# Altium PCB PCB1.PcbDoc
Units mm, origin at the board's own origin, x right, y up, seen from the top; angles counter-clockwise.
Board outline 67.69 x 56.77 mm, 2 copper layers (Top Layer, Bottom Layer); 103 components, 81 nets, 365 pads, 129 vias.
Unrouted connection lines stored in the file: 20.
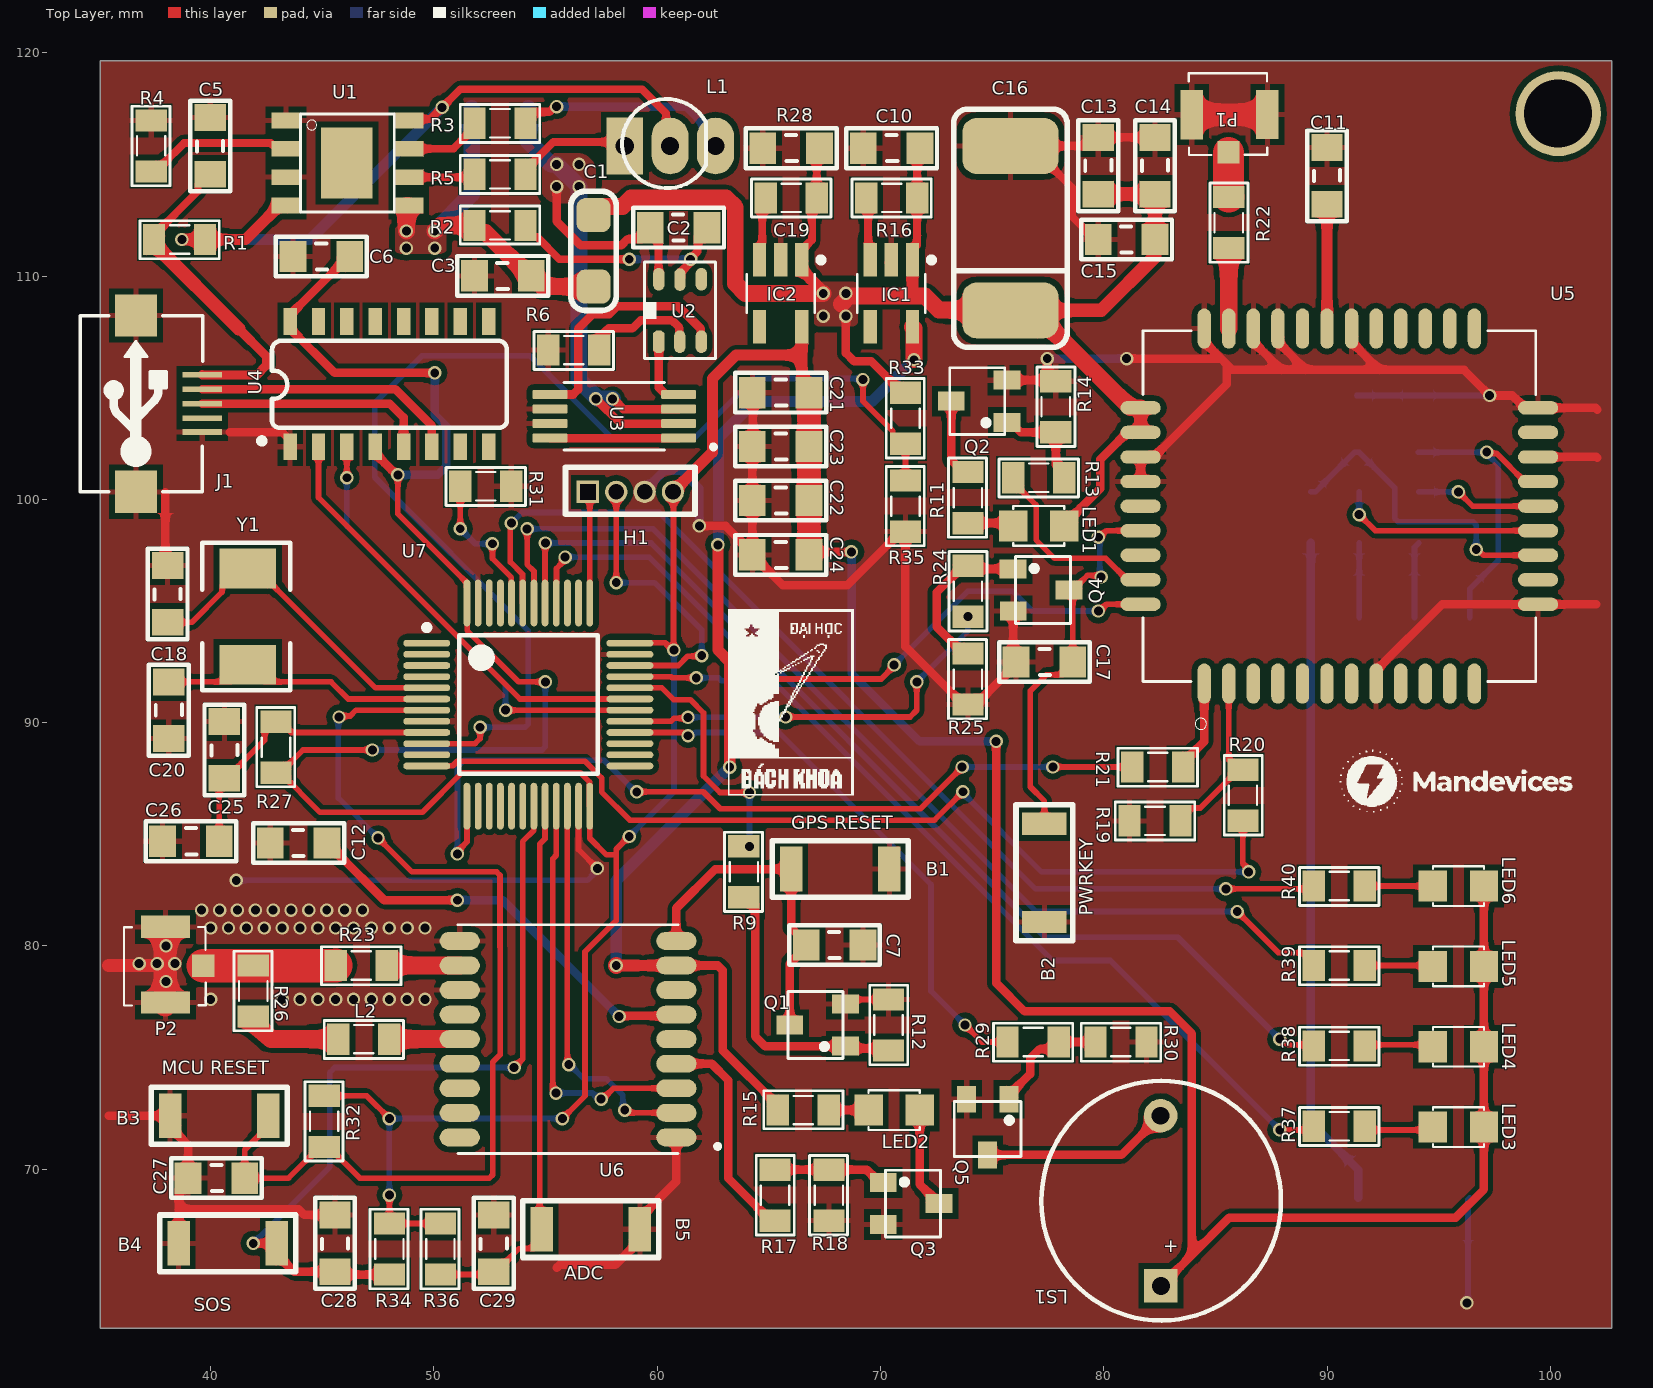
[diagram p0: Top Layer view]
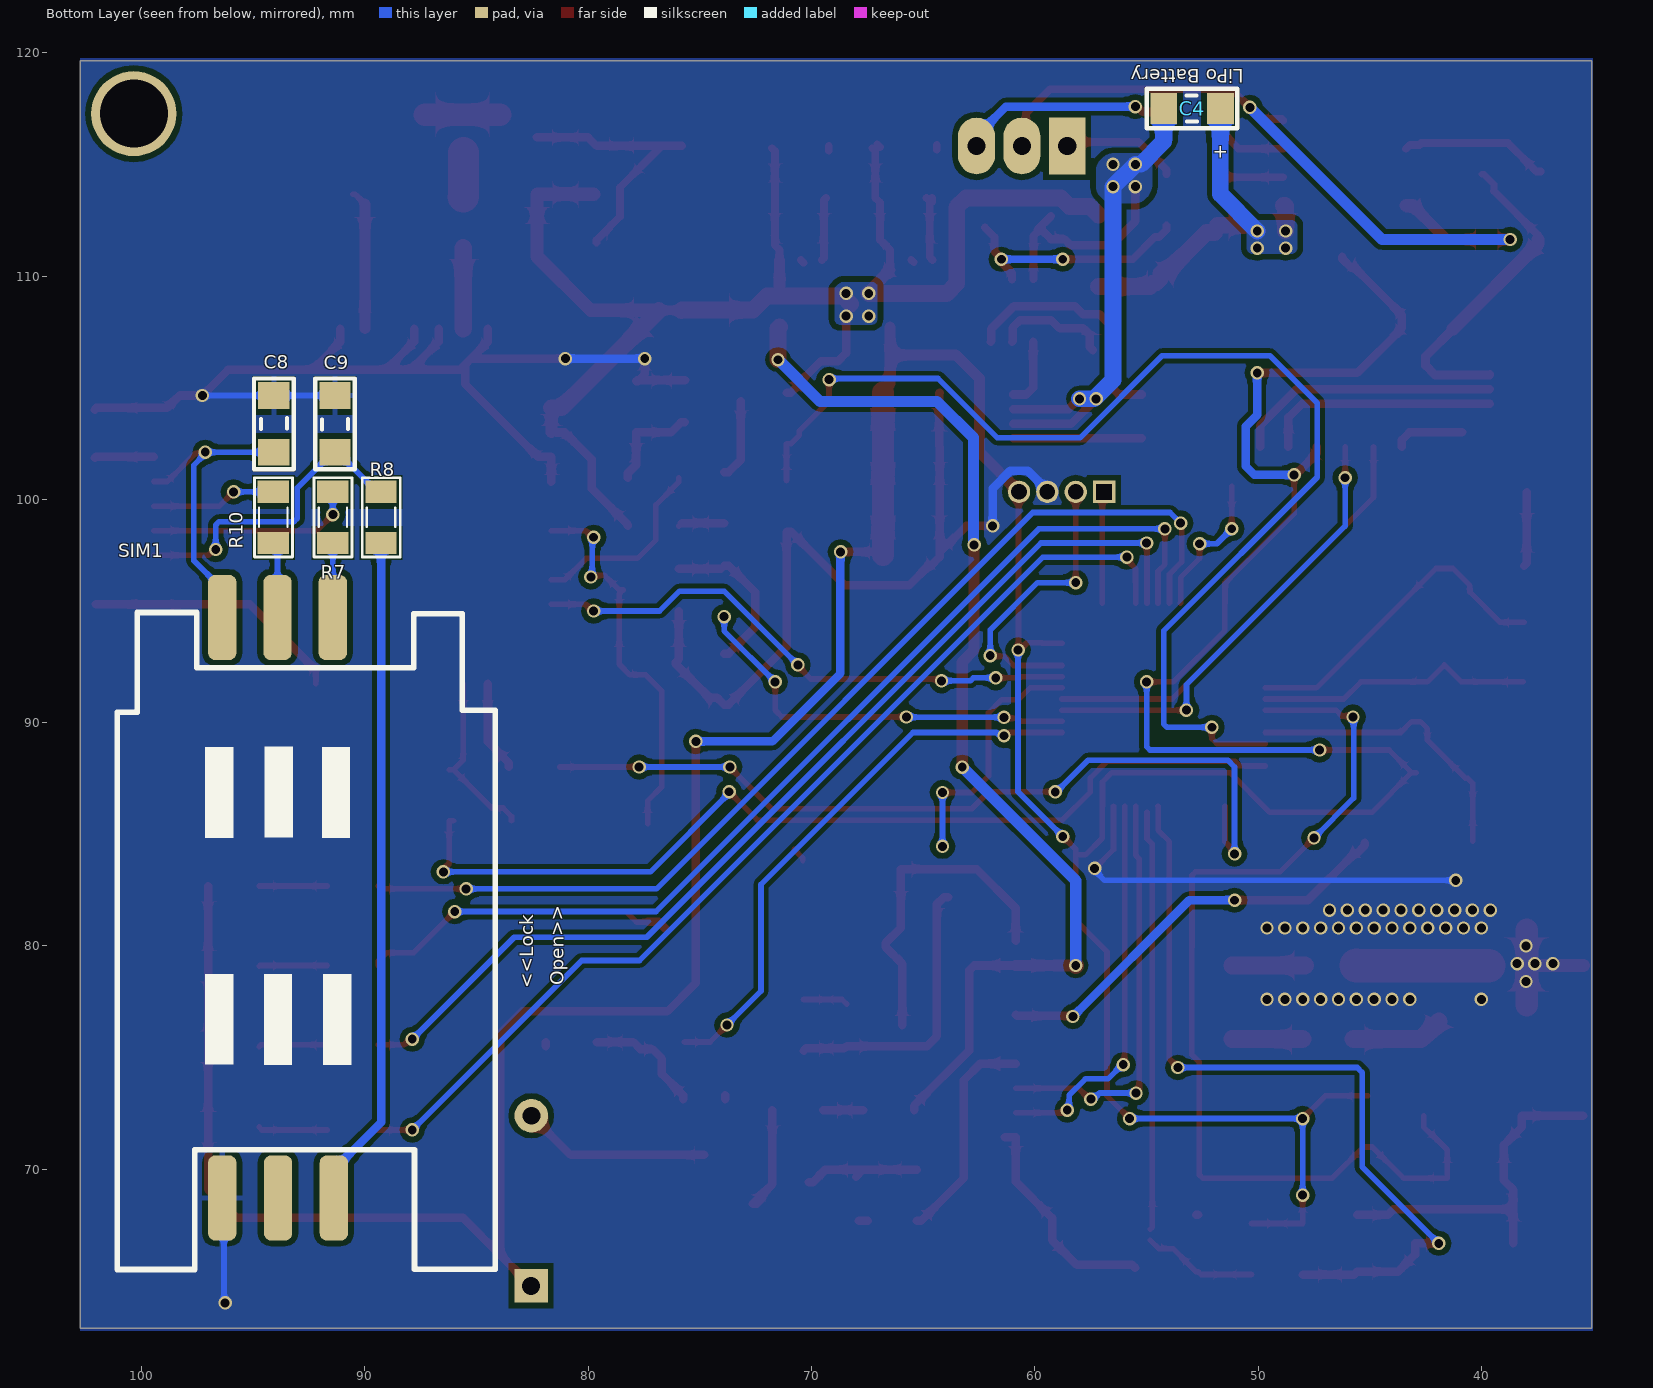
[diagram p1: Bottom Layer view, seen from below]
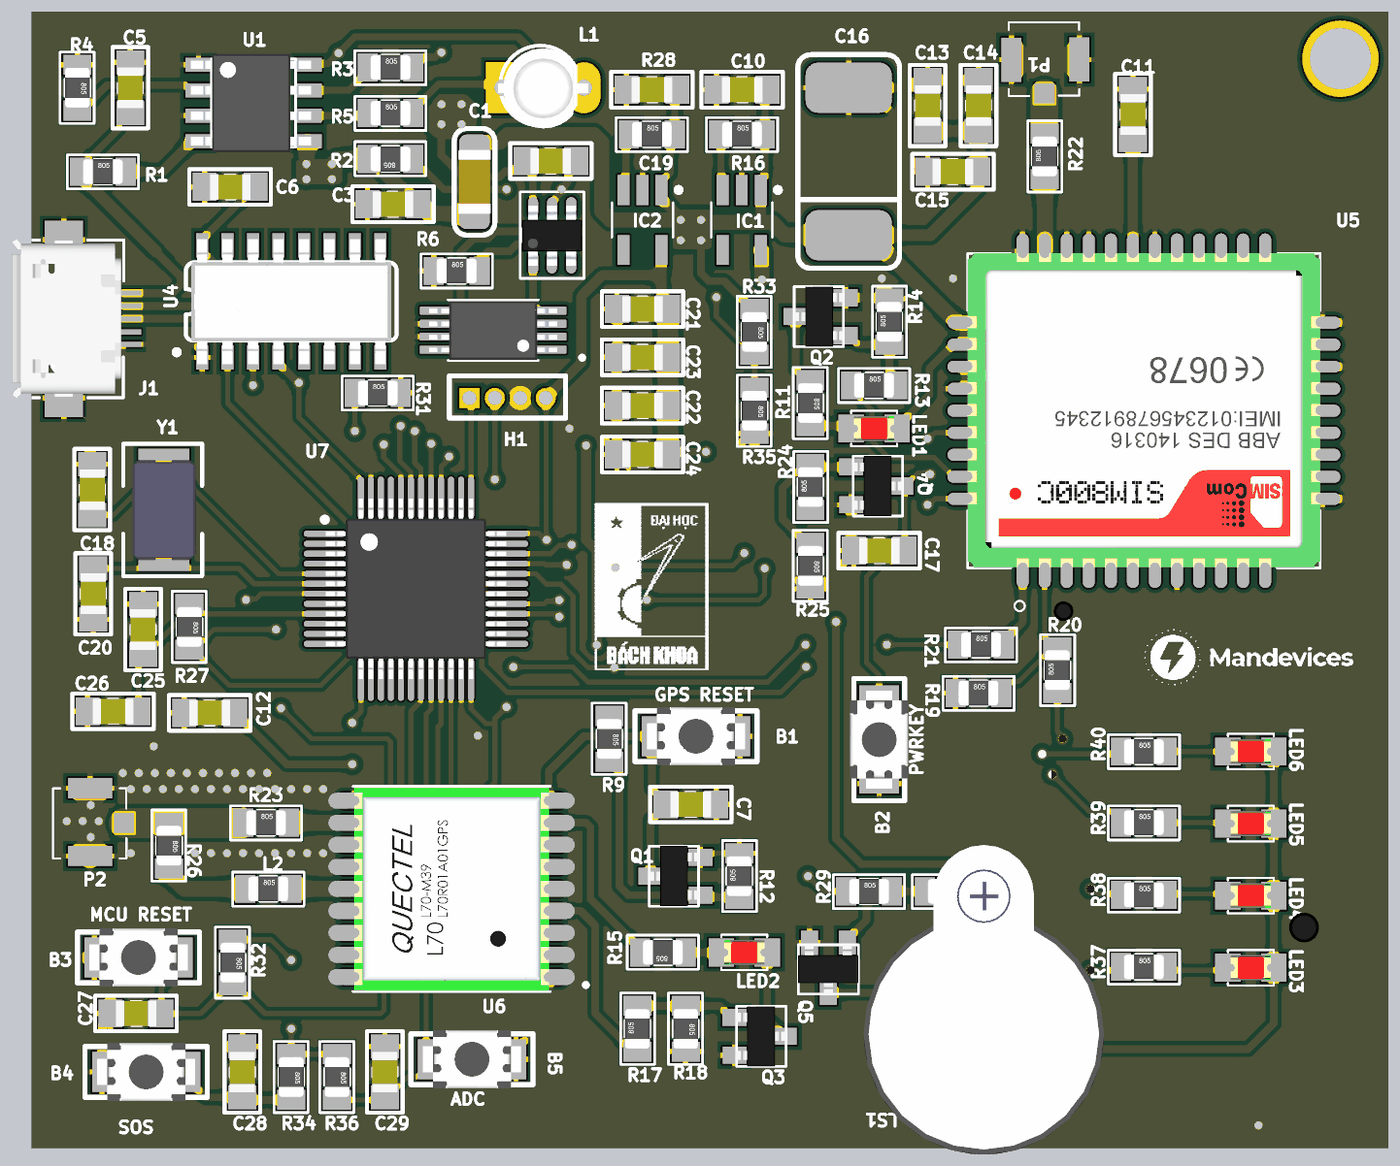
[diagram p2: 3D render of the assembled board from above, using the file's embedded part models]
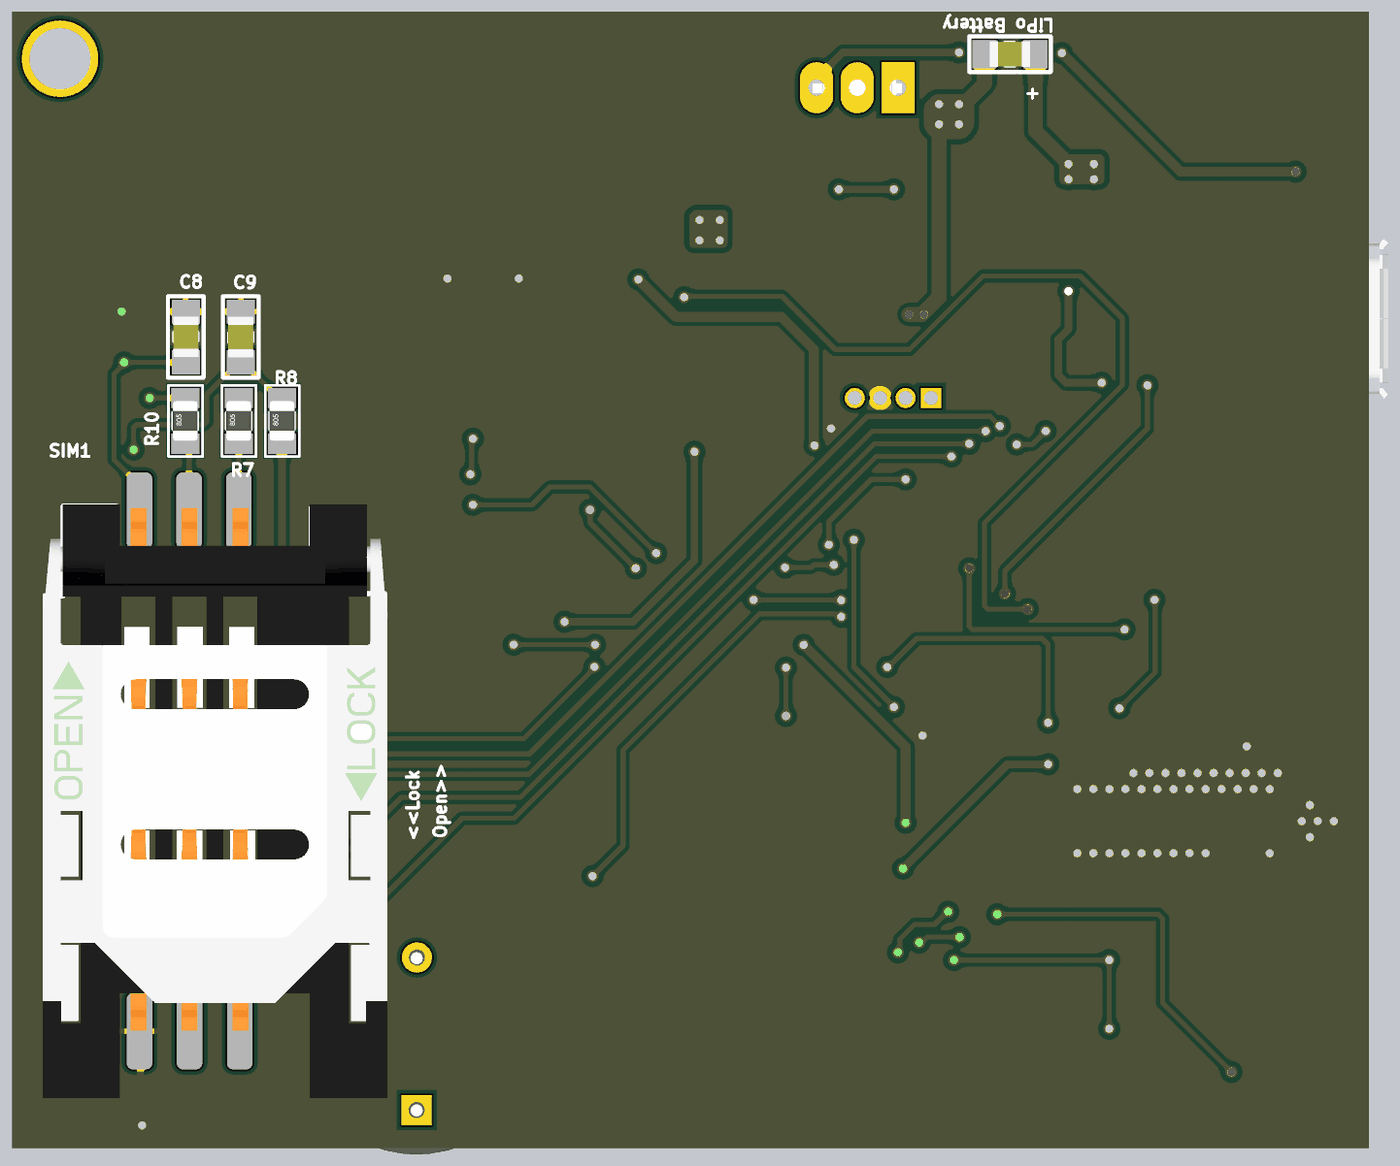
[diagram p3: 3D render of the assembled board from below, using the file's embedded part models]

## Layer stack, top to bottom
Top Solder: solder mask 0.0102, Solder Resist, Dk 3.5
Top Layer: signal copper 0.0356
Dielectric 1: dielectric 0.32, FR-4, Dk 4.8
Bottom Layer: signal copper 0.0356
Bottom Solder: solder mask 0.0102, Solder Resist, Dk 3.5

## Board outline
35.052,62.865 35.052,119.634 102.743,119.634 102.743,62.865

## Design rules (kind name [scope] priority, off if disabled: settings)
Clearance [All] p1: gap=0.254 ignorepadtopadclearanceinfootprint=TRUE except(0.2: Arc-Arc Arc-Track Arc-SMDPad Arc-THPad Arc-Via Arc-Fill Arc-Poly Arc-Region Arc-Text Arc-Hole Track-Track Track-SMDPad Track-THPad Track-Via Track-Fill Track-Poly Track-Region Track-Text Track-Hole SMDPad-SMDPad)
DiffPairsRouting [All] p1: maxlimit=0.254 minlimit=0.254 mostfreqgap=0.254 toplayer_minwidth=0.381 toplayer_maxwidth=0.381 toplayer_prefwidth=0.381 bottomlayer_minwidth=0.381 bottomlayer_maxwidth=0.381 bottomlayer_prefwidth=0.381 maxuncoupledlength=12.7
HoleSize [All] p1: absolutevalues=TRUE maxlimit=2.54 minlimit=0.5 maxpercent=80.000 minpercent=20.000
MinimumSolderMaskSliver [All] p1: minsoldermaskwidth=0
PlaneConnect [All] p1: planeconnectstyle=Relief reliefexpansion=0.508 reliefentries=4 reliefconductorwidth=0.508 reliefairgap=0.254
PolygonConnect [All] p1: thpad.connectstyle=Direct thpad.reliefconductorwidth=0.508 thpad.reliefentries=4 thpad.polygonreliefangle="90 Angle" thpad.airgapwidth=0.254 smdpad.connectstyle=Relief smdpad.reliefconductorwidth=0.254 smdpad.reliefentries=4 smdpad.polygonreliefangle="90 Angle" smdpad.airgapwidth=0.254 via.connectstyle=Direct via.reliefconductorwidth=0.254 via.reliefentries=4 via.polygonreliefangle="90 Angle" via.airgapwidth=0.254
RoutingVias [All] p1: holewidth=0.3 width=0.5 viastyle="Through Hole" minholewidth=0.1 minwidth=0.1 maxholewidth=0.75 maxwidth=1
SilkToSilkClearance [All] p1: silktosilkclearance=0
SilkToSolderMaskClearance SilkscreenOverComponentPads [IsPad] p1: minsilkscreentomaskgap=0 clearancetoexposedcopper=TRUE
SolderMaskExpansion [All] p1: expansion=0.102 istentingtop=FALSE
UnRoutedNet [All] p1: checkbadconnections=TRUE
Width [All] p1: maxlimit=3 minlimit=0.127 preferedwidth=0.2
23 further rules are at their usual default settings.

## Classes and differential pairs
component class Designator: B3 B4 B5 C18 C19 C20 C21 C22 C23 C24 C25 C26 C27 C28 C29 H1 IC2 LED3 LED4 LED5 LED6 LS1 Q5 R27 R28 R29 R30 R31 R32 R33 R34 R35 R36 R37 R38 R39 R40 U7 Y1
differential pair D: +D_P -D_N

## Components (designator, comment, footprint, x,y, rotation, side; value= is the part's Value field where it differs from the comment)
B1 "Button 3x4x2.5" "Button 3x4x2.5" 68.199,83.439 r180 top
B2 "Button 3x4x2.5" "Button 3x4x2.5" 77.343,83.271 r90 top
B3 "Button 3x4x2.5" "Button 3x4x2.5" 40.386,72.39 r0 top
B4 "Button 3x4x2.5" "Button 3x4x2.5" 40.767,66.675 r0 top
B5 "Button 3x4x2.5" "Button 3x4x2.5" 57.023,67.31 r180 top
C1 "Pad Switch ON/OFF" CAP_3216 57.15,111.125 r90 top value=33p
C2 "100nF" CAP_0805 60.96,112.141 r180 top value=33p
C3 "10uF" CAP_0805 53.086,109.982 r180 top value=33p
C4 "LiPo Battery" CAP_0805 52.959,117.475 r0 bottom value=33p
C5 "100nF" CAP_0805 40.005,115.824 r270 top value=33p
C6 "100nF" CAP_0805 44.958,110.896 r0 top value=33p
C7 "100nF" CAP_0805 67.945,80.01 r180 top value=33p
C8 "100nF" CAP_0805 94.107,103.378 r90 bottom value=33p
C9 "22pF" CAP_0805 91.313,103.378 r270 bottom value=33p
C10 "1uF" CAP_0805 70.5,115.75 r0 top value=33p
C11 "10nF" CAP_0805 89.976,114.485 r90 top value=33p
C12 "10nF" CAP_0805 43.942,84.582 r180 top value=33p
C13 "1uF" CAP_0805 79.731,114.935 r90 top value=33p
C14 "33pF" CAP_0805 82.271,114.935 r90 top value=33p
C15 "10pF" CAP_0805 81.026,111.608 r180 top value=33p
C16 "100uF" CAP_7343 75.819,112.268 r90 top
C17 "100nF" CAP_0805 77.343,92.735 r0 top value=33p
C18 "22pF" CAP_0805 38.1,95.758 r270 top value=33p
C19 "1uF" CAP_0805 66,115.75 r0 top value=33p
C20 "22pF" CAP_0805 38.1,90.551 r90 top value=33p
C21 "100nF" CAP_0805 65.532,104.8 r0 top value=33p
C22 "100nF" CAP_0805 65.532,99.974 r0 top value=33p
C23 "100nF" CAP_0805 65.532,102.387 r0 top value=33p
C24 "4.7uF" CAP_0805 65.532,97.536 r0 top value=33p
C25 "1uF" CAP_0805 40.64,88.773 r270 top value=33p
C26 "10nF" CAP_0805 39.116,84.709 r0 top value=33p
C27 "100nF" CAP_0805 40.259,69.621 r0 top value=33p
C28 "100nF" CAP_0805 45.593,66.675 r270 top value=33p
C29 "100nF" CAP_0805 52.705,66.675 r270 top value=33p
H1 "Header 1.27mm" "Header 1.27mm" 56.896,100.33 r0 top
IC1 "RT9013" SOT23-5 70.485,109.22 r270 top
IC2 "RT9013" SOT23-5 65.532,109.22 r270 top
J1 "USB-5" USB-M1 39.624,104.282 r90 top
L1 "LED 3mm" "LED-3MM 2 MAU" 60.579,115.824 r0 top
L2 "47nH" RES-SMD-0805 46.863,75.819 r0 top
LED1 "LED" LED-0805-Red 78.232,98.806 r180 top value="LED 3 ly Single Colour"
LED2 "LED" LED-0805-Red 69.469,72.644 r0 top value="LED 3 ly Single Colour"
LED3 "LED RED" LED-0805-Red 97.028,71.882 r180 top value="LED 3 ly Single Colour"
LED4 "LED YELLOW" LED-0805-Red 97.028,75.48 r180 top value="LED 3 ly Single Colour"
LED5 "LED GREEN" LED-0805-Red 97.028,79.079 r180 top value="LED 3 ly Single Colour"
LED6 "LED RED" LED-0805-Red 97.028,82.677 r180 top value="LED 3 ly Single Colour"
LS1 "Speaker" SPEAKER 82.563,64.77 r90 top
P1 "Antenna" IPXS 85.598,115.951 r270 top
P2 "Antenna" IPXS 39.25,79.119 r0 top
Q1 "C1815" SOT23D 67.183,76.454 r90 top
Q2 "C1815" SOT23D 74.422,104.394 r90 top
Q3 "C1815" SOT23D 71.374,68.453 r270 top
Q4 "C1815" SOT23D 77.191,95.936 r270 top
Q5 "C1815" SOT23D 74.803,71.882 r180 top
R1 "0.4R" RES-SMD-0805 38.608,111.633 r0 top
R2 "100R" RES-SMD-0805 52.959,112.268 r180 top
R3 "1k" RES-SMD-0805 52.959,116.84 r0 top
R4 "1.2k" RES-SMD-0805 37.338,115.824 r270 top
R5 "1k" RES-SMD-0805 52.959,114.554 r0 top
R6 "1k" RES-SMD-0805 56.261,106.68 r0 top
R7 "51R" RES-SMD-0805 91.44,99.187 r90 bottom
R8 "51R" RES-SMD-0805 89.281,99.187 r90 bottom
R9 "4.7k" RES-SMD-0805 63.881,83.312 r270 top
R10 "51R" RES-SMD-0805 94.107,99.187 r90 bottom
R11 "1k" RES-SMD-0805 73.914,100.076 r270 top
R12 "47k" RES-SMD-0805 70.358,76.454 r90 top
R13 "4.7k" RES-SMD-0805 77.089,100.965 r0 top
R14 "47k" RES-SMD-0805 77.851,104.14 r90 top
R15 "1k" RES-SMD-0805 66.548,72.644 r180 top
R16 "10k" RES-SMD-0805 70.5,113.5 r0 top
R17 "4.7k" RES-SMD-0805 65.278,68.834 r90 top
R18 "47k" RES-SMD-0805 67.691,68.834 r270 top
R19 "5.6k" RES-SMD-0805 82.296,85.598 r0 top
R20 "1k" RES-SMD-0805 86.233,86.741 r90 top
R21 "1k" RES-SMD-0805 82.423,88.011 r0 top
R22 "0R" RES-SMD-0805 85.598,112.395 r90 top
R23 "0R" RES-SMD-0805 46.75,79.121 r0 top
R24 "4.7k" RES-SMD-0805 73.914,95.885 r90 top
R25 "47k" RES-SMD-0805 73.914,91.948 r270 top
R26 "10R" RES-SMD-0805 41.91,77.978 r270 top
R27 "0R" RES-SMD-0805 42.926,88.9 r270 top
R28 "10k" RES-SMD-0805 66,113.5 r0 top
R29 "4.7k" RES-SMD-0805 76.835,75.692 r0 top
R30 "47k" RES-SMD-0805 80.772,75.692 r0 top
R31 "100k" RES-SMD-0805 52.324,100.584 r0 top
R32 "10k" RES-SMD-0805 45.085,72.136 r270 top
R33 "10k" RES-SMD-0805 71.12,103.632 r270 top
R34 "10k" RES-SMD-0805 48.006,66.421 r270 top
R35 "22k" RES-SMD-0805 71.12,99.695 r270 top
R36 "10k" RES-SMD-0805 50.292,66.421 r270 top
R37 "1k" RES-SMD-0805 90.551,71.92 r0 top
R38 "1k" RES-SMD-0805 90.551,75.518 r0 top
R39 "1k" RES-SMD-0805 90.551,79.121 r0 top
R40 "1k" RES-SMD-0805 90.551,82.677 r0 top
SIM1 "SIM SOCKET 6P" "SIM SOCKET 6P" 104.521,67.056 r90 bottom
U1 "TP4056" TP4056 46.126,115.062 r0 top
U2 "DW01A" SOT23-6 60.894,108.57 r90 top
U3 "FS8205A" FS8205A 58.08,103.774 r180 top
U4 "CH340C" SO016 48.006,105.156 r0 top
U5 "SIM800C" LCC110P1570X1760X250-42N 90.551,99.695 r90 top
U6 "L70-RL" XCVR_L70-RL 56.007,75.819 r180 top
U7 "STM32" "LQFP 48" 54.229,90.805 r0 top
Y1 "8Mhz" "Thach Anh 2 chan SMD5032" 41.656,94.742 r90 top value=4Mhz

## Footprints (in the part's own frame and the unit in brackets; to place one, negate y for a bottom-side part, rotate by r counter-clockwise, add the part's x,y. Pads: shape width x height; smd on the part's side, far side on the other; paste and mask are expansions set on the pad)
"Button 3x4x2.5" [mm]
  rect 1x2 smd: 15(-2.2,0) 19(2.2,0)
  silkscreen extent -3.05,-1.27 3.05,1.27, body extent -2.45,-1.45 2.45,1.45, height 2
CAP_0805 [mm]
  rect 1.2x1.4 smd: 1(-1.27,-0.025) 2(1.27,-0.025)
  silkscreen extent -2.03,-0.91 2.03,0.86, body extent -1.01,-0.66 1.01,0.61, height 0.61
CAP_3216 [mil]
  rrect50% 60x60 smd: 1(-62.99,0) s(62.99,0)
  silkscreen extent -105,-40 105,40, body extent -63,-31 63,31, height 39
CAP_7343 [mm] "Capacitor Tantalum 7343"
  rrect50% 2.5x4.3 smd: 1(-3.81,0) 2(3.556,0)
  silkscreen extent -5.46,-2.54 5.21,2.54, body extent -3.81,-2.29 3.56,2.29, height 3
FS8205A [mm]
  rrect25% 1.56x0.4 smd: 1(-2.88,1.031) 2(-2.88,0.381) 3(-2.88,-0.269) 4(-2.88,-0.919) 5(2.88,-0.919) 6(2.88,-0.269) 7(2.88,0.381) 8(2.88,1.031)
  silkscreen extent -4.54,-1.46 2.25,1.57, body extent -3.2,-1.4 3.2,1.53, height 1.2
"Header 1.27mm" [mm]
  rect 1x1 hole 0.7 square: 1(0,0)
  round 1 hole 0.7: 2(1.27,0) 3(2.54,0) 4(3.81,0)
  silkscreen extent -1,-1 4.8,1.1
IPXS [mm] "SOT 23 _ 1-3-2"
  rect 1x1 smd: 1(0.415,-0.01)
  rect 2.2x1 smd: 2(-1.273,-1.658) 3(-1.278,1.73)
  silkscreen extent -3.13,-1.79 0.53,1.73, body extent -2.83,-1.49 0.31,1.56, height 1.55
LCC110P1570X1760X250-42N [mm]
  oval 1.8x0.6 smd: 1(-7.95,6.05) 2(-7.95,4.95) 3(-7.95,3.85) 4(-7.95,2.75) 5(-7.95,1.65) 6(-7.95,0.55) 7(-7.95,-0.55) 8(-7.95,-1.65) 9(-7.95,-2.75) 10(-7.95,-3.85) 11(-7.95,-4.95) 12(-7.95,-6.05) 22(7.95,-6.05) 23(7.95,-4.95) 24(7.95,-3.85) 25(7.95,-2.75) 26(7.95,-1.65) 27(7.95,-0.55) 28(7.95,0.55) 29(7.95,1.65) 30(7.95,2.75) 31(7.95,3.85) 32(7.95,4.95) 33(7.95,6.05)
  oval 0.6x1.8 smd: 13(-4.4,-8.9) 14(-3.3,-8.9) 15(-2.2,-8.9) 16(-1.1,-8.9) 17(0,-8.9) 18(1.1,-8.9) 19(2.2,-8.9) 20(3.3,-8.9) 21(4.4,-8.9) 34(4.4,8.9) 35(3.3,8.9) 36(2.2,8.9) 37(1.1,8.9) 38(0,8.9) 39(-1.1,8.9) 40(-2.2,8.9) 41(-3.3,8.9) 42(-4.4,8.9)
  silkscreen extent -10,-8.8 7.85,8.8, body extent -7.83,-8.8 7.87,8.8, height 2.31
"LED-3MM 2 MAU" [mil] "LED 3 PIN, 3ly Two colour"
  rect 65x100 hole 32: 1(-80,0)
  oval 65x100 hole 32: 2(0,0) 3(80,0)
  silkscreen extent -85,-75 63,83, body extent -89,-80 89,77, height 293
LED-0805-Red [mil]
  rect 50x55 smd: 1(0,0) 2(90,0)
  silkscreen extent 0,-35 90,35, body extent 5,-25 85,25, height 43
"LQFP 48" [mm] "LQFP, 48-Leads, Body 7,00x7,00mm, Pitch 0,50mm, IPC Medium Density"
  oval 2.1x0.3 smd: 1(-4.55,2.75) 2(-4.55,2.25) 3(-4.55,1.75) 4(-4.55,1.25) 5(-4.55,0.75) 6(-4.55,0.25) 7(-4.55,-0.25) 8(-4.55,-0.75) 9(-4.55,-1.25) 10(-4.55,-1.75) 11(-4.55,-2.25) 12(-4.55,-2.75) 25(4.55,-2.75) 26(4.55,-2.25) 27(4.55,-1.75) 28(4.55,-1.25) 29(4.55,-0.75) 30(4.55,-0.25) 31(4.55,0.25) 32(4.55,0.75) 33(4.55,1.25) 34(4.55,1.75) 35(4.55,2.25) 36(4.55,2.75)
  oval 0.3x2.1 smd: 13(-2.75,-4.55) 14(-2.25,-4.55) 15(-1.75,-4.55) 16(-1.25,-4.55) 17(-0.75,-4.55) 18(-0.25,-4.55) 19(0.25,-4.55) 20(0.75,-4.55) 21(1.25,-4.55) 22(1.75,-4.55) 23(2.25,-4.55) 24(2.75,-4.55) 37(2.75,4.55) 38(2.25,4.55) 39(1.75,4.55) 40(1.25,4.55) 41(0.75,4.55) 42(0.25,4.55) 43(-0.25,4.55) 44(-0.75,4.55) 45(-1.25,4.55) 46(-1.75,4.55) 47(-2.25,4.55) 48(-2.75,4.55)
  silkscreen extent -4.67,-3.1 3.1,3.57, body extent -4.5,-4.5 4.5,4.5, height 1.6
RES-SMD-0805 [mil]
  rect 39.37x55 smd: 1(-45,0) 2(45,0)
  silkscreen extent -70,-34 70,33, body extent -39,-25 39,25, height 31
"SIM SOCKET 6P" [mil]
  rrect50% 150x50 smd: 1(65,-320) 2(1088.62,-320) 3(65,-418.43) 4(1088.62,-417.5) 5(65,-516.85) 6(1088.62,-515)
  silkscreen extent -61,-802 1097,-135, body extent -66,-807 1101,-130, height 103
SO016 [mm]
  rect 0.6x1.2 smd: 1(-4.445,-2.8) 2(-3.175,-2.8) 3(-1.905,-2.8) 4(-0.635,-2.8) 5(0.635,-2.8) 6(1.905,-2.8) 7(3.175,-2.8) 8(4.445,-2.8) 9(4.445,2.8) 10(3.175,2.8) 11(1.905,2.8) 12(0.635,2.8) 13(-0.635,2.8) 14(-1.905,2.8) 15(-3.175,2.8) 16(-4.445,2.8)
  silkscreen extent -5.84,-2.67 5.26,1.95, body extent -4.99,-3.13 4.99,3.1, height 1.58
SOT23-5 [mm] "SOT23, 5-Leads, Body 3.0x3.0mm (max), Pitch 0.95mm, IPC Medium Density"